# Altium PCB TIDA-010933-RevA.PcbDoc (part 3 of 9) (continued)
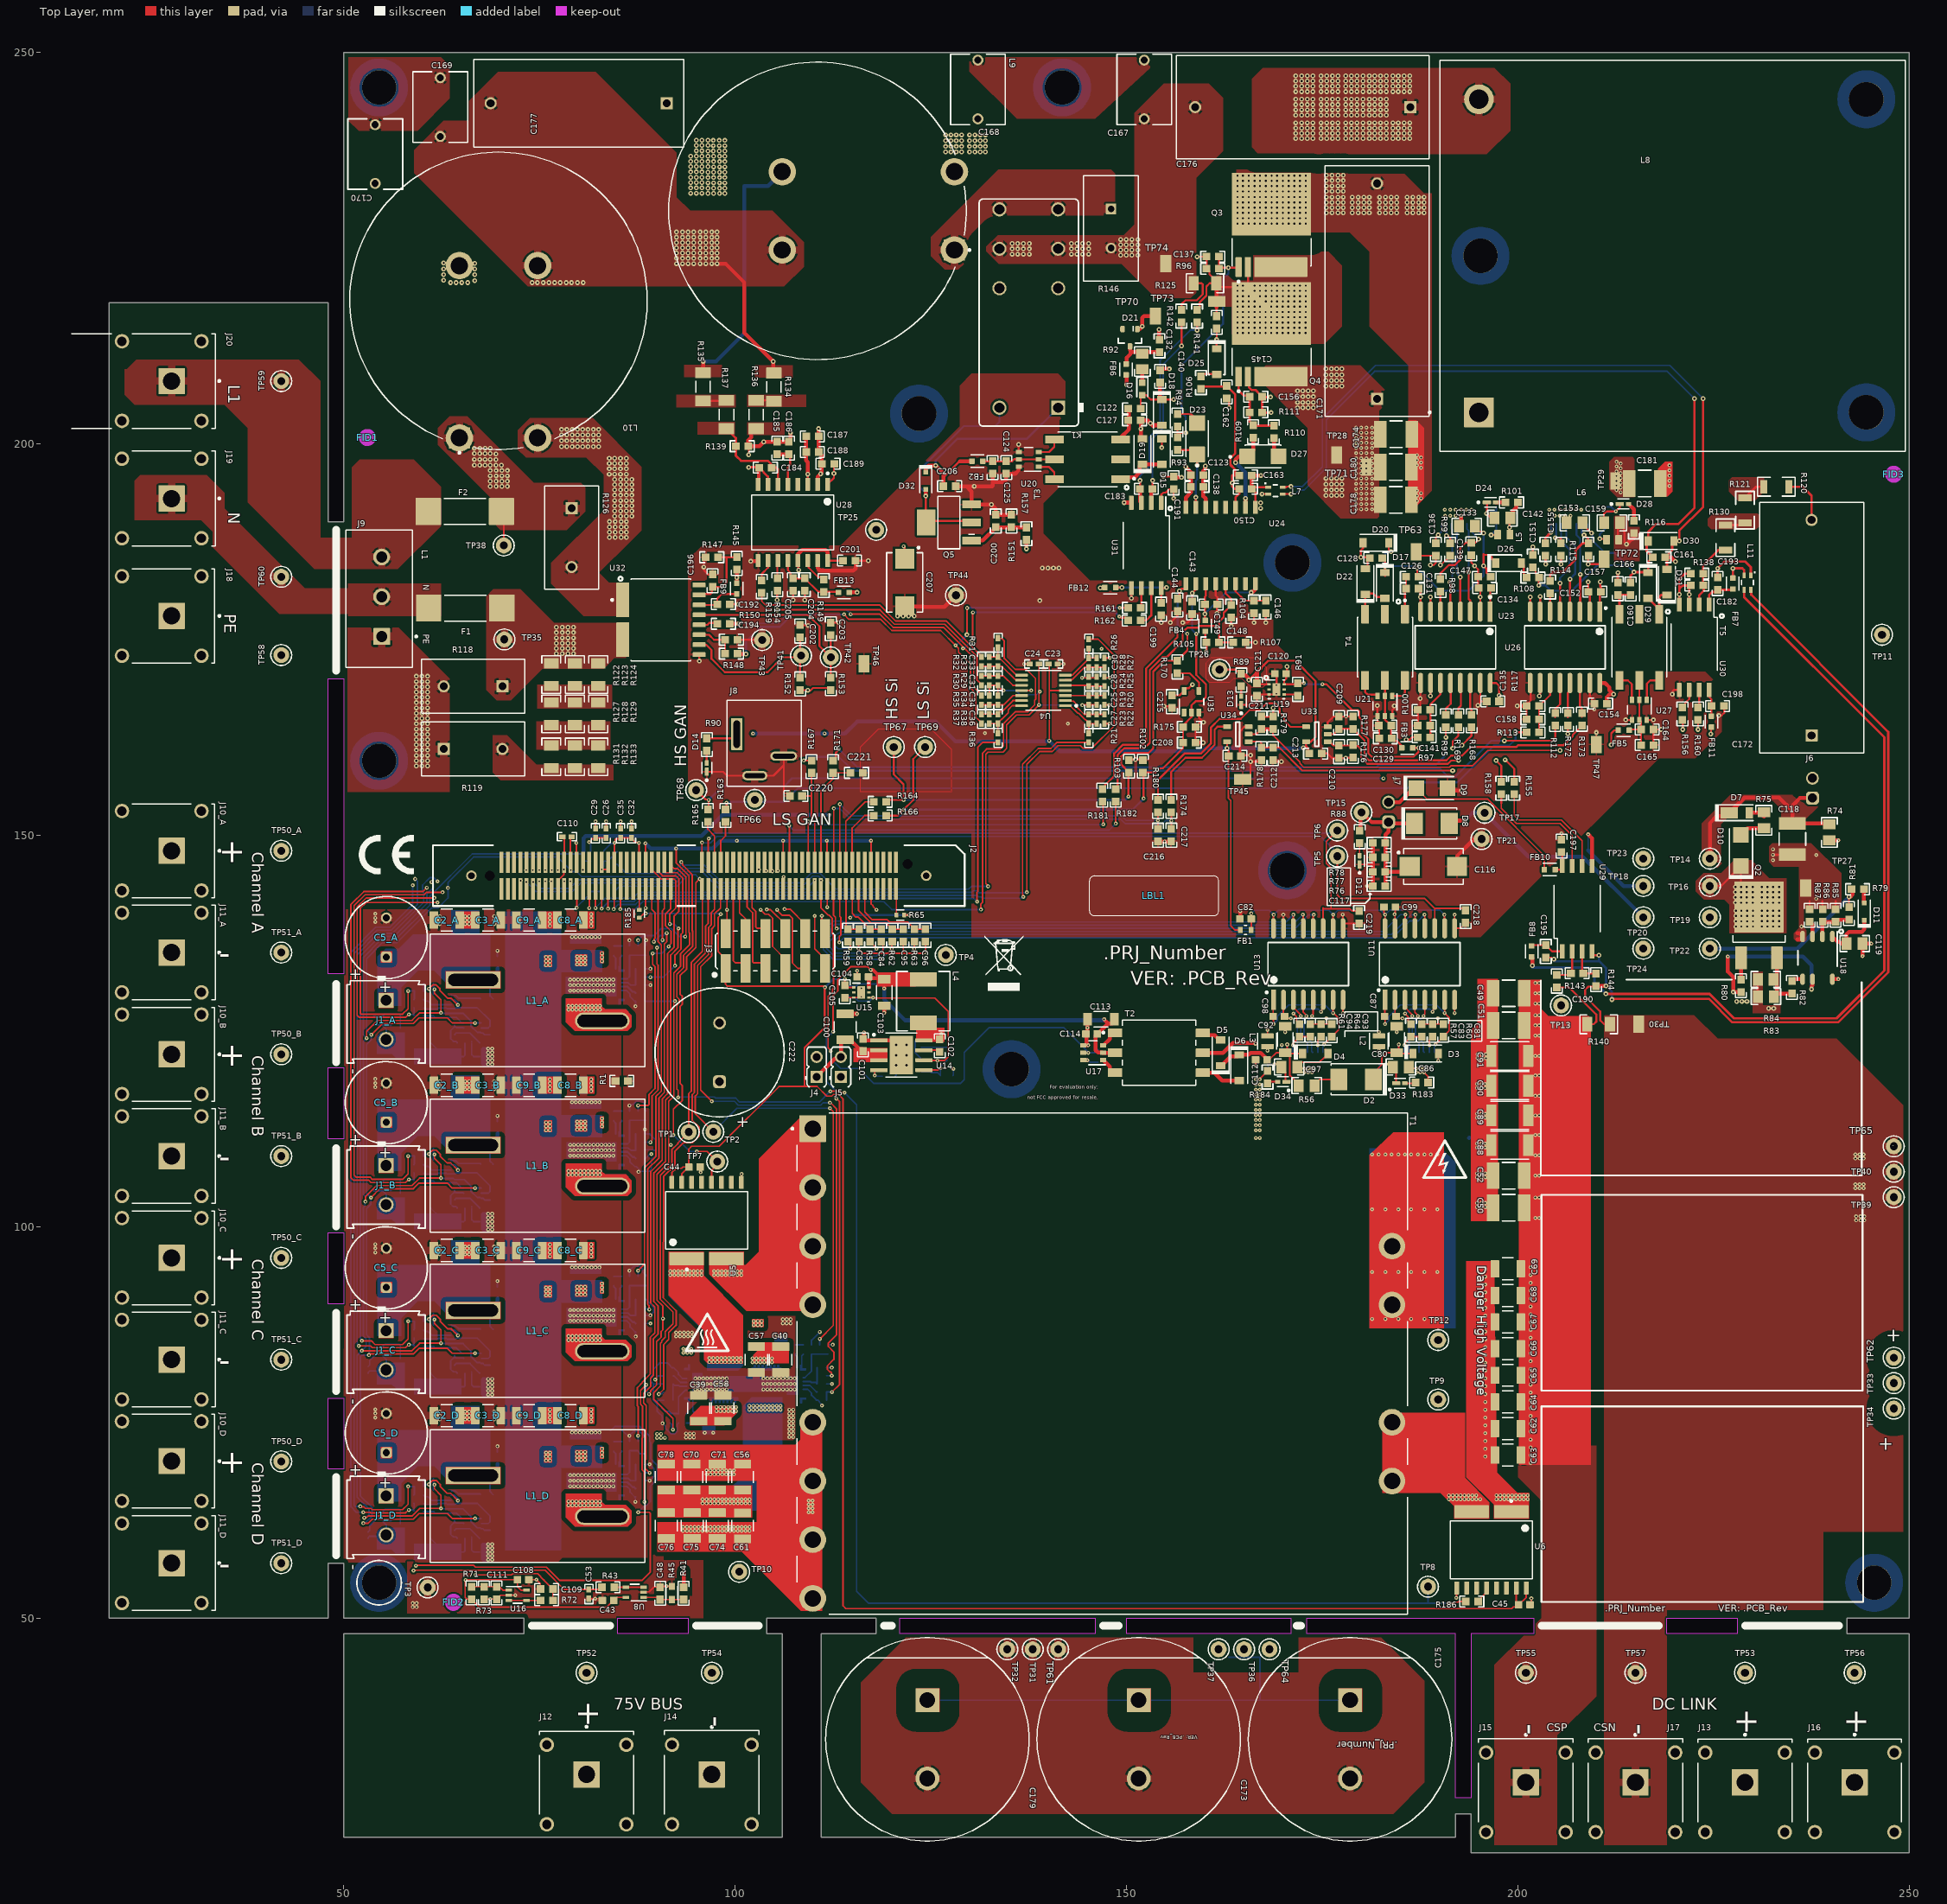
[diagram p0: Top Layer view]
## Part data (continued)
L4: library part CMP-0057696-2, "Inductor, Shielded, Ferrite, 15 uH, 2.9 A, 0.121 ohm, SMD", Manufacturer=Bourns, Supplier Part Number 1=652-SRP6540-150M, Value1="0.121 ohm", Value2=2.9A, ValueDisplayed=15uH, AEC Category=Q200, AEC Qualified=?, ComponentLink1Description="Datasheet link", ComponentLink1URL=http://www.bourns.com/data/global/pdfs/SRP6540.pdf, CompType=Inductor, DCR_ohm=0.121, Green_EU RoHS=Passed, Green_EU RoHS-2=Incomplete, Green_Lifecycle=Active, Green_REACh=Passed, Imax_A=2.9A, Ind_H=15µH, Irms="2.9A @ 40C rise", Isat="2.9A @ 20% inductance drop", LatestRevisionDate=2017-06-02, Material=Ferrite, MountType=SMT, PackageReference="Inductor, 7.2x4x6.5mm", PartNumber=SRP6540-150M, Published=2008-06-26, Publisher="Texas Instruments", RoHS=Y, SizeArea_mm2=50.25, SizeAreaWB_mm2=82.65, SizeX_mm=7.5, SizeY_mm=6.7, SizeZ_mm=4, Supplier 1=Mouser, Technology=Shielded
L5 L6: library part CMP-0063789-1, "Inductor, 10 uH, 0.5 A, 0.85 ohm, SMD", Manufacturer="Wurth Elektronik", Value1="0.85 ohm", Value2=0.5A, ValueDisplayed=10uH, AEC Category=Q200, AEC Grade=N/A, AEC Qualified=N, ComponentLink1Description="Datasheet link", ComponentLink1URL=http://katalog.we-online.com/pbs/datasheet/74404020100.pdf, CompType=Inductor, DCR_ohm=8.5d, Imax_A=5dA, Ind_H=10µH, Irms="0.5A @ 40C rise", Isat="0.6A @ 30% inductance drop", LatestRevisionDate=2017-06-02, Material=?, MountType=SMT, PackageReference=2x1.6mm, PartNumber=74404020100, Published=2008-06-26, Publisher="Texas Instruments", RoHS=Y, SizeArea_mm2=3.2, SizeAreaWB_mm2=7.8, SizeX_mm=2, SizeY_mm=1.6, SizeZ_mm=1, Technology=?
L7 L11: library part CMP-0058159-1, "Inductor, Wirewound, Ferrite, 0.3 A, 0.45 ohm, SMD", Manufacturer=Bourns, Supplier Part Number 1=SRF2012-361YACT-ND, Value1="0.45 ohm", Value2=0.3A, AEC Category=Q200, AEC Qualified=?, ComponentLink1Description="Datasheet link", ComponentLink1URL=http://www.bourns.com/data/global/pdfs/SRF2012A.pdf, CompType=Inductor, DCR_ohm=4.5d, Green_EU RoHS=Passed, Green_EU RoHS-2=Incomplete, Green_Lifecycle=NRND, Green_REACh=Passed, Imax_A=3dA, LatestRevisionDate=2017-06-02, Material=Ferrite, MountType=SMT, PackageReference=2.0x1.2x1.2mm, PartNumber=SRF2012-361YA, Published=2008-06-26, Publisher="Texas Instruments", RoHS=Y, SizeArea_mm2=2.4, SizeAreaWB_mm2=6.6, SizeX_mm=2, SizeY_mm=1.2, SizeZ_mm=1.4, Supplier 1=Digi-Key, Supplier 2=Newark, Supplier 3=Mouser, Supplier Part Number 2=54W0024, Supplier Part Number 3=652-SRF2012-361YA, Technology=Wirewound
L8: library part CMP-0042321-1, "PFC Inductor", Manufacturer=Bourns, Operating Temperature Range="-40°C to +125°C", Test Frequency=120kHz, Tolerance_%=10%, AEC Qualified=No, Datasheet Path=datasheets/Ind-D6746.pdf, helpURL=https://upverter.com/upn/revision/b4f5dbfb28e8d931/, Ind_H=111µH, Irms=22.6A, Lead Free=Yes, PackageReference=PTH_59MM5_50MM0, Part Number=D6746, PartNumber=D6746, RoHS=TRUE, SizeZ_mm=25mm, Technology=Wirewound
L9 L10: library part CMP-0042320-3, "Common Mode Chokes 4mH 50mohm 250kHz", Manufacturer=Bourns, Operating Temperature Range="-40°C to +125°C", Test Frequency=250kHz, AEC Qualified=No, Datasheet Path=datasheets/Ind-D6744.pdf, DCR_ohm=50m, helpURL=https://upverter.com/upn/revision/f5ce77b0b37f7489/, Ind_H=4mH, Lead Free=Yes, PackageReference=PTH_CMC_38MM0, Part Number=D6744, PartNumber=D6744, RoHS=TRUE, SizeZ_mm=24mm, Technology=Wirewound
LBL1: library part CMP-0003625-1, "Thermal Transfer Printable Labels, 0.650\" W x 0.200\" H - 10,000 per roll", Manufacturer=Brady, Supplier Part Number 1=97C5133, ClassName=Label, ComponentLink1Description="Web Page", ComponentLink1URL=http://www.bradyid.com/bradyid/pdpv/THT-14-423-10.html, CompType=Label, Key=THT-14-423-10, LatestRevisionDate=2017-03-09, MountType=N/A, Note="Size: 0.65\" x 0.20 \"", PackageReference="PCB Label 0.650 x 0.200 inch", PartNumber=THT-14-423-10, Publisher="Texas Instruments", RoHS=Y, Supplier 1=Newark, Supplier 2=Farnell, Supplier Part Number 2=2065596
Logo1: library part CMP-0074847-1, "FCC_disclaimer", LatestRevisionDate=2017-07-06, Lib Reference=FCC_disclaimer, PartNumber="FCC disclaimer", Published=2009-03-03, Publisher="Texas Instruments"
Logo2: library part CMP-0074769-1, Lib Reference="WEEE logo", PartNumber="WEEE logo"
LOGO3: library part CMP-0074837-1, "IEC 61010-1 Hot Surface Warning", LatestRevisionDate=2017-07-06, Lib Reference=IEC_HotSurface, PartNumber="CAUTION HOT SURFACE", Published=2009-03-03, Publisher="Texas Instruments", SymbolCreator=a0412235, SymbolVersion=2011-08-22
LOGO4: library part CMP-0074835-1, "IEC 61010-1 High Voltage Warning", LatestRevisionDate=2017-07-06, Lib Reference=IEC_HighVoltage, PartNumber="DANGER HIGH VOLTAGE", Published=2009-03-03, Publisher="Texas Instruments", SymbolCreator=a0412235, SymbolVersion=2011-08-22
Logo5: library part CMP-0074844-1, LatestRevisionDate=2017-07-06, Lib Reference="CE Mark", PartNumber="CE Mark", Published=2009-03-03, Publisher="Texas Instruments", SymbolCreator=a0412235
MP2 MP3 MP4 MP5 MP6 MP7 MP8 MP9 MP10 MP11 MP12 MP13: library part CMP-0040203-1, "Round Spacer Unthreaded Steel 0.059\" (1.50mm)", Digikey Part Number=732-7071-1-ND, Manufacturer="Wurth Electronics", Mouser Part Number=710-9774015960R, Operating Temperature Range="-55°C to +150°C", AEC Qualified=No, ComponentLink1Description=Datasheet, ComponentLink1URL=https://www.we-online.com/components/products/datasheet/9774015960R.pdf, datasheet=https://www.we-online.com/components/products/datasheet/9774015960R.pdf, Datasheet Path=datasheets/UNK-9774015960R.pdf, Digikey Description="ROUND SPACER STEEL 1.5MM", helpURL=https://upverter.com/upn/revision/67a23d837871b5d5/, Is Female=yes, Lead Free=Yes, Mouser Description="Spacer Material: Steel Mounting: SMT Series: WA-SMST For ø: 3.3 mm", PackageReference=ROUND_SPACER_6MM0, Part Number=9774015960R, PartNumber=9774015960R, RoHS=TRUE, SizeZ_mm=1.6mm, Supplier 1=Digikey, Supplier 2=Mouser, Supplier Part Number 1=732-7071-1-ND, Supplier Part Number 2=710-9774015960R
Q1_A Q1_B Q1_C Q1_D: library part CMP-0000823-2, "MOSFET, N-CH, 60 V, 100 A, DNK0008A (VSON-CLIP-8)", Alternate Manufacturer=None, Manufacturer="Texas Instruments", Supplier Part Number 1=296-41076-1-ND, Value1=0.003, Value2="41 nC", AEC Category=Q101, AEC Qualified=N, ChType=N, ComponentLink1Description="Datasheet link", ComponentLink1URL=http://www.ti.com/lit/ds/symlink/csd18540q5b.pdf, CompType=MOSFET, IdsMax_A=100A, MountType=SMT, PackageReference=DNK0008A, PartNumber=CSD18540Q5B, QgTyp_nC=41, Rdson45_ohm=3.3m, RoHS=Y, SizeArea_mm2=30, SizeAreaWB_mm2=56, SizeX_mm=6, SizeY_mm=5, SizeZ_mm=1, Supplier 1=Digi-Key, Supplier 2=Mouser, Supplier Part Number 2=595-CSD18540Q5B, U/M=EA, VdsMax_V=60V, Vgs_V=20V
Q2: library part CMP-0036768-1, "MOSFET N-Channel 600 V 2A (Tc) 45W (Tc) Surface Mount DPAK", Digikey Part Number=497-6192-1-ND, Drain To Source Breakdown Voltage=600V, Input Capacitace At Vds="280pF @ 25V", Manufacturer=STMicroelectronics, Mouser Part Number=511-STD2HNK60Z, Operating Temperature Range="-55°C to +150°C", Power_W=45W, Pulse Drain Current=8A, AEC Qualified=No, ChMode=False, ComponentLink1Description=Datasheet, ComponentLink1URL=https://www.st.com/resource/en/datasheet/std2hnk60z.pdf, datasheet=https://www.st.com/resource/en/datasheet/std2hnk60z.pdf, Datasheet Path=datasheets/Trans-STD2HNK60Z.pdf, Digikey Description="MOSFET N-CH 600V 2A DPAK", helpURL=https://upverter.com/upn/revision/b69afbc3f4c1a412/, IdsMax_A=2A, Lead Free=Yes, Mouser Description="N-channel 600 V - 4.4 O - 2 A - TO-92/TO-220FP/DPAK/IPAK Zener-protected SuperMESH™2; Power MOSFET", Number Of Channels=1, Number Of N Channels=1, PackageReference=DPAK, Part Number=STD2HNK60Z, PartNumber=STD2HNK60Z, QgTyp_nC="11nC @ 10V", Rdson45_ohm=3.5, Reverse Recovery Charge=445nC, Reverse Recovery Time=178ns, RoHS=TRUE, Rthja Max=100°C/W, SizeZ_mm=2.48mm, Standoff Height=0mm, Threshold Vgs Max=4.5V, Threshold Vgs Min=3V, TJmax_C=+150°C, Turn Off Delay Time=23ns, Turn On Delay Time=10ns, VdsMax_V=1.6V, Vgs_V=30V
Q3 Q4: library part CMP-0096632-1, "N-Channel 600 V 23A (Tc) 390W (Tc) Surface Mount PG-HSOF-8-2", Digikey Part Number=448-IPT60R022S7XTMA1CT-ND, Drain To Source Breakdown Voltage=600V, Input Capacitace At Vds="5639pF @ 300V", Manufacturer=Infineon, Mouser Part Number=726-IPT60R022S7XTMA1, Operating Temperature Range="-55°C to +150°C", Power_W=390W, Pulse Drain Current=375A, Typ Forward Diode Voltage=0.82V, AEC Qualified=No, ChMode=False, ComponentLink1Description=Datasheet, ComponentLink1URL=https://www.infineon.com/dgdl/Infineon-IPT60R022S7-DataSheet-v02_00-EN.pdf?fileId=5546d4626bb628d7016bc266c2ec77b5, datasheet=https://www.infineon.com/dgdl/Infineon-IPT60R022S7-DataSheet-v02_00-EN.pdf?fileId=5546d4626bb628d7016bc266c2ec77b5, Datasheet Path=datasheets/Trans-IPT60R022S7XTMA1.pdf, Digikey Description="MOSFET N-CH 600V 23A 8HSOF", helpURL=https://upverter.com/upn/revision/39de4432f1c3ff97/, IdsMax_A=23A, Lead Free=Yes, Number Of Channels=1, Number Of N Channels=1, PackageReference=HSOF8, Part Number=IPT60R022S7XTMA1, PartNumber=IPT60R022S7XTMA1, QgTyp_nC="150nC @ 12V", Rdson45_ohm=20m, Reverse Recovery Charge=9000nC, Reverse Recovery Time=460ns, RoHS=TRUE, Rthja Max=62°C/W, SizeZ_mm=2.4mm, Threshold Vgs Max=4.5V, Threshold Vgs Min=3.5V, TJmax_C=+150°C, Turn Off Delay Time=150ns, Turn On Delay Time=30ns, VdsMax_V=600V, Vgs_V=20V
Q5: library part CMP-0000888-1, "MOSFET, N-CH, 70 V, 3.8 A, AEC-Q101, SOT-223", Alternate Manufacturer=None, Manufacturer="Diodes Inc.", Supplier Part Number 1=ZXMN7A11GCT-ND, Value1=0.1, Value2="7.4 nC", AEC Category=Q101, AEC Qualified=Y, ChType=N, ComponentLink1Description="Datasheet link", ComponentLink1URL=http://www.diodes.com/datasheets/ZXMN7A11G.pdf, CompType=MOSFET, IdsMax_A=3.8A, LatestRevisionDate=2017-03-09, LatestRevisionNote="Added parts.", MountType=SMT, PackageReference=SOT-223, PartNumber=ZXMN7A11GTA, Published=2008-06-19, Publisher="Texas Instruments", QgTyp_nC=7.4, Rdson45_ohm=0.19, RoHS=Y, SizeArea_mm2=45.5, SizeAreaWB_mm2=76.5, SizeX_mm=6.5, SizeY_mm=7, SizeZ_mm=1.6, Supplier 1=Digi-Key, Supplier 2=Mouser, Supplier Part Number 2=522-ZXMN7A11GTA, U/M=EA, VdsMax_V=70V, Vgs_V=20V
R1 R186: library part CMP-0025885-5, "RES, 0, 5%, 0.1 W, 0603", Manufacturer=Yageo, Power_W=100mW, Supplier Part Number 1=311-0.0GRCT-ND, TempCo="200 ppm/C", Tolerance_%=5%, Value2=0.1W, Value_Code=0000, ValueDisplayed=0, AEC Category=Q200, AEC Grade=N/A, AEC Qualified=N, ComponentLink1Description="Datasheet link", ComponentLink1URL=http://www.yageo.com/pdf/Pu-RC0603_51_PbFree_L_2.pdf, CompType=Resistor, EIA_Code=E24, MountType=SMT, PackageReference=0603, PartNumber=RC0603JR-070RL, Res_ohm=0, RoHS=Y, SizeArea_mm2=1.28, SizeAreaWB_mm2=4.68, SizeX_mm=1.6, SizeY_mm=0.8, SizeZ_mm=1, Supplier 1=Digi-Key, Supplier 2=Mouser, Supplier 3=Farnell, Supplier Part Number 2=603-RC0603JR-070RL, Supplier Part Number 3=9233130, Technology="Thick Film", Value1=5%, VDC_V=75V
R2 R19 R20 R22 R23 R25 R27 R30 R32 R34 R35 R37 R38: library part CMP-0065360-1, "RES, 10.0 k, .1%, .0625 W, 0402", Manufacturer="Yageo America", Power_W=62.5mW, Supplier Part Number 1=YAG1346CT-ND, TempCo="25 ppm/C", Tolerance_%=0.1%, Value1=.1%, Value2=.0625W, Value_Code=10k0, ValueDisplayed=10.0k, AEC Category=Q200, AEC Qualified=?, ComponentLink1Description="Datasheet link", ComponentLink1URL=http://www.yageo.com/NewPortal/yageodocoutput?fileName=/pdf/R-Chip/PYu-RT_1-to-0.01_RoHS_L_8.pdf, CompType=Resistor, EIA_Code=E192, LatestRevisionDate=2017-06-05, MountType=SMT, PackageReference=0402, PartNumber=RT0402BRD0710KL, Published=2008-06-26, Publisher="Texas Instruments", Res_ohm=10k, RoHS=Y, SizeArea_mm2=0.5, SizeX_mm=1.0, SizeY_mm=0.5, SizeZ_mm=0.6, Supplier 1=Digi-Key, Supplier 2=Newark, Supplier 3=Mouser, Supplier Part Number 2=66R6774, Supplier Part Number 3=603-RT0402BRD0710KL, Technology="Thin Film", U/M=EA, VDC_V=50V
R3: library part CMP-0091865-1, "±1% tolerance 10kΩ linear thermistor available in 0402 and 0603 package options 2-SOT-5X3 -40 to 125", Digikey Part Number=296-TMP6131DYATCT-ND, Manufacturer="Texas Instruments", Max Current=400uA, Mouser Part Number=595-TMP6131DYAT, Operating Temperature Range="-40°C to +125°C", TempCo=6400ppm/°C, Tolerance_%=1%, AEC Qualified=No, ComponentLink1Description=Datasheet, ComponentLink1URL=https://www.ti.com/lit/gpn/TMP61, datasheet=https://www.ti.com/lit/gpn/TMP61, Datasheet Path=datasheets/Res-TMP6131DYAT.pdf, Digikey Description=THERMISTOR, helpURL=https://upverter.com/upn/revision/150d27163111d799/, Lead Free=Yes, Mouser Description="±1% tolerance 10kO linear thermistor available in 0402 and 0603 package options 2-SOT-5X3 -40 to 125", PackageReference=SOD-523, Part Number=TMP6131DYAT, PartNumber=TMP6131DYAT, Res_ohm=10kΩ, RoHS=TRUE, Series=TMP61, SizeZ_mm=0.77mm, TaMax_C=+125°C, TaMin_C=-40°C, TJmax_C=+155°C, VDC_V=5.5V
R4_A R4_B R4_C R4_D: library part CMP-0078821-1, "RES, 0.001, 1%, 1 W, AEC-Q200 Grade 0, 1206", Manufacturer=Bourns, Power_W=1W, TempCo="50 ppm/C", Tolerance_%=1%, Value_Code=1L000, ValueDisplayed=0.001, AEC Category=Q200, AEC Grade=0, AEC Qualified=Y, ComponentLink1Description="Datasheet link", ComponentLink1URL=http://www.bourns.com/docs/Product-Datasheets/crf.pdf, CompType=Resistor, EIA_Code=E96, MountType=SMT, PackageReference=1206, PartNumber=CRF1206-FZ-R001ELF, Res_ohm=1m, RoHS=Y, SizeArea_mm2=5.12, SizeX_mm=3.2, SizeY_mm=1.6, SizeZ_mm=1.35, Technology="Metal Film", Value1=1%, Value2=1W
R5_A R5_B R5_C R5_D R69 R91: library part CMP-0022735-5, "RES, 100 k, 1%, 0.1 W, 0603", Manufacturer=Yageo, Power_W=100mW, Supplier Part Number 1=311-100KHRCT-ND, TempCo="100 ppm/C", Tolerance_%=1%, Value2=0.1W, Value_Code=100k, AEC Category=Q200, AEC Grade=N/A, AEC Qualified=N, ComponentLink1Description="Datasheet link", ComponentLink1URL=http://www.yageo.com/pdf/Pu-RC0603_51_PbFree_L_2.pdf, CompType=Resistor, EIA_Code=E96, MountType=SMT, PackageReference=0603, PartNumber=RC0603FR-07100KL, Res_ohm=100k, RoHS=Y, SizeArea_mm2=1.28, SizeAreaWB_mm2=4.68, SizeX_mm=1.6, SizeY_mm=0.8, SizeZ_mm=1, Supplier 1=Digi-Key, Supplier 2=Mouser, Supplier 3=Farnell, Supplier Part Number 2=603-RC0603FR-07100KL, Supplier Part Number 3=9238727, Technology="Thick Film", Value1=1%, ValueDisplayed=100k, VDC_V=75V
R6_A R6_B R6_C R6_D R41: library part CMP-0024182-3, "RES, 39.2 k, 0.1%, 0.1 W, 0603", Manufacturer="Yageo America", Power_W=100mW, TempCo="25 ppm/C", Tolerance_%=0.1%, Value2=0.1W, Value_Code=39k2, ValueDisplayed=39.2k, AEC Category=Q200, AEC Qualified=?, ComponentLink1Description="Datasheet link", ComponentLink1URL=http://www.yageo.com/pdf/PYu-RT_1-to-0.05_RoHS_L_3.pdf, CompType=Resistor, EIA_Code=E192, LatestRevisionDate=2017-03-09, MountType=SMT, PackageReference=0603, PartNumber=RT0603BRD0739K2L, Published=2008-06-26, Publisher="Texas Instruments", Res_ohm=39.2k, RoHS=Y, SizeArea_mm2=1.28, SizeX_mm=1.6, SizeY_mm=0.8, SizeZ_mm=1, Technology="Thin Film", U/M=EA, Value1=0.1%, VDC_V=75V
R7_A R7_B R7_C R7_D R10_A R10_B R10_C R10_D R42 R44 R50 R51: library part CMP-0026900-3, "RES, 2.7, 5%, 0.063 W, AEC-Q200 Grade 0, 0402", Manufacturer=Vishay-Dale, Power_W=63mW, Supplier Part Number 1=541-2.7JCT-ND, TempCo="200 ppm/C", Tolerance_%=5%, Value2=0.063W, Value_Code=2R70, ValueDisplayed=2.7, AEC Category=Q200, AEC Grade=0, AEC Qualified=Y, ComponentLink1Description="Datasheet link", ComponentLink1URL=http://www.vishay.com/docs/20035/dcrcwe3.pdf, CompType=Resistor, EIA_Code=E24, MountType=SMT, PackageReference=0402, PartNumber=CRCW04022R70JNED, Res_ohm=2.7, RoHS=E, SizeArea_mm2=0.5, SizeX_mm=1, SizeY_mm=0.5, SizeZ_mm=0.6, Supplier 1=Digi-Key, Supplier 2=Mouser, Supplier 3=Farnell, Supplier Part Number 2=71-CRCW04022R70JNED, Supplier Part Number 3=1739059, Technology="Thick Film", Value1=5%, VDC_V=50V
R8_A R8_B R8_C R8_D: library part CMP-0026721-1, "RES, 100 k, 1%, 0.0625 W, 0402", Manufacturer="Yageo America", Power_W=62.5mW, Supplier Part Number 1=311-100KLRCT-ND, TempCo="100 ppm/C", Tolerance_%=1%, Value2=0.0625W, Value_Code=100k, AEC Category=Q200, AEC Grade=N/A, AEC Qualified=N, ComponentLink1Description="Datasheet link", ComponentLink1URL=http://www.yageo.com/documents/recent/PYu-RC0402_51_RoHS_L_6_r.pdf, CompType=Resistor, EIA_Code=E96, LatestRevisionDate=2017-03-09, MountType=SMT, PackageReference=0402, PartNumber=RC0402FR-07100KL, Published=2008-06-26, Publisher="Texas Instruments", Res_ohm=100k, RoHS=Y, SizeArea_mm2=0.5, SizeX_mm=1, SizeY_mm=0.5, SizeZ_mm=0.6, Supplier 1=Digi-Key, Supplier 2=Newark, Supplier 3=Mouser, Supplier Part Number 2=67R9887, Supplier Part Number 3=603-RC0402FR-07100KL, Technology="Thick Film", U/M=EA, Value1=1%, ValueDisplayed=100k, VDC_V=50V
R9_A R9_B R9_C R9_D R12_A R12_B R12_C R12_D R14_A R14_B R14_C R14_D R16_A R16_B R16_C R16_D R21 R26 R31 R36 R46 R48 R52 R54: library part CMP-0026738-1, "RES, 49.9, 1%, 0.063 W, 0402", Manufacturer="Yageo America", Power_W=63mW, Supplier Part Number 1=311-49.9LRCT-ND, TempCo="100 ppm/C", Tolerance_%=1%, Value2=0.063W, Value_Code=49R9, ValueDisplayed=49.9, AEC Category=Q200, AEC Grade=N/A, AEC Qualified=N, ComponentLink1Description="Datasheet link", ComponentLink1URL=http://www.yageo.com/documents/recent/PYu-RC_Group_51_RoHS_L_1.pdf, CompType=Resistor, EIA_Code=E96, LatestRevisionDate=2017-03-09, MountType=SMT, PackageReference=0402, PartNumber=RC0402FR-0749R9L, Published=2008-06-26, Publisher="Texas Instruments", Res_ohm=49.9, RoHS=Y, SizeArea_mm2=0.5, SizeX_mm=1, SizeY_mm=0.5, SizeZ_mm=0.6, Supplier 1=Digi-Key, Supplier 2=Newark, Supplier 3=Mouser, Supplier Part Number 2=67R9942, Supplier Part Number 3=603-RC0402FR-0749R9L, Technology="Thick Film", U/M=EA, Value1=1%, VDC_V=50V
R11_A R11_B R11_C R11_D: library part CMP-0026770-1, "RES, 1.00 k, 0.1%, 0.063 W, 0402", Manufacturer=Panasonic, Power_W=63mW, Supplier Part Number 1=P1.0KDCCT-ND, TempCo="25 ppm/C", Tolerance_%=0.1%, Value2=0.063W, Value_Code=1k00, ValueDisplayed=1.00k, AEC Category=Q200, AEC Qualified=?, ComponentLink1Description="Datasheet link", ComponentLink1URL=http://industrial.panasonic.com/www-data/pdf/AOA0000/AOA0000CE26.pdf, CompType=Resistor, EIA_Code=E192, LatestRevisionDate=2017-03-09, MountType=SMT, PackageReference=0402, PartNumber=ERA-2AEB102X, Published=2008-06-26, Publisher="Texas Instruments", Res_ohm=1k, RoHS=Y, SizeArea_mm2=0.5, SizeX_mm=1, SizeY_mm=0.5, SizeZ_mm=0.6, Supplier 1=Digi-Key, Supplier 2=Newark, Supplier 3=Mouser, Supplier Part Number 2=53W8332, Supplier Part Number 3=667-ERA-2AEB102X, Technology="Thin Film", U/M=EA, Value1=0.1%, VDC_V=50V
R13_A R13_B R13_C R13_D R15_A R15_B R15_C R15_D R47 R49 R53 R55 R67: library part CMP-0078669-1, "RES, 10.0 k, 1%, 0.063 W, 0402", Manufacturer="Yageo America", Power_W=63mW, Supplier Part Number 1=311-10.0KLRCT-ND, TempCo="100 ppm/C", Tolerance_%=1%, Value2=0.063W, Value_Code=10k0, ValueDisplayed=10.0k, AEC Category=Q200, AEC Grade=N/A, AEC Qualified=N, ComponentLink1Description="Datasheet link", ComponentLink1URL=http://www.yageo.com/documents/recent/PYu-RC_Group_51_RoHS_L_8.pdf, CompType=Resistor, EIA_Code=E96, Green_EU RoHS="Passed with Exemption", Green_EU RoHS-2=Passed, Green_Lifecycle=Active, Green_REACh=Passed, MountType=SMT, PackageReference=0402, PartNumber=RC0402FR-0710KL, Res_ohm=10k, RoHS=Y, SizeArea_mm2=0.5, SizeX_mm=1, SizeY_mm=0.5, SizeZ_mm=0.6, Supplier 1=Digi-Key, Supplier 2=Newark, Supplier 3=Mouser, Supplier Part Number 2=98K7499, Supplier Part Number 3=603-RC0402FR-0710KL, Technology="Thick Film", Value1=1%
R17_A R17_B R17_C R17_D R18_A R18_B R18_C R18_D: library part CMP-0092617-1, "200 Ohms ±5% 0.063W, 1/16W Chip Resistor 0402 (1005 Metric) Moisture Resistant Thick Film", Digikey Part Number=311-200JRCT-ND, Manufacturer=YAGEO, Mouser Part Number=603-RC0402JR-07200RL, Operating Temperature Range="-55°C to +155°C", Power_W=63mW, TempCo=100ppm/°C, Tolerance_%=5%, AEC Qualified=No, ComponentLink1Description=Datasheet, ComponentLink1URL=http://www.yageo.com/documents/recent/PYu-RC_Group_51_RoHS_L_8.pdf, datasheet=http://www.yageo.com/documents/recent/PYu-RC_Group_51_RoHS_L_8.pdf, Datasheet Path=datasheets/Res-RC0402JR-07200RL.pdf, Digikey Description="RES SMD 200 OHM 5% 1/16W 0402", helpURL=https://upverter.com/upn/revision/a0a435665daee534/, Lead Free=Yes, Mouser Description="Thick Film Resistors - SMD 200 OHM 5%", PackageReference=0402, Part Number=RC0402JR-07200RL, PartNumber=RC0402JR-07200RL, Res_ohm=200, RoHS=FALSE, Series=RC_L, SizeZ_mm=0.4mm, Supplier 1=Digikey, Supplier 2=Mouser, Supplier Part Number 1=311-200JRCT-ND, Supplier Part Number 2=603-RC0402JR-07200RL, Technology="Thick Film", VDC_V=50V
R24 R28: library part CMP-0065359-1, "RES, 15.0 k, .1%, .063 W, AEC-Q200 Grade 0, 0402", Manufacturer=Panasonic, Power_W=63mW, Supplier Part Number 1=P15KDCCT-ND, TempCo="25 ppm/C", Tolerance_%=0.1%, Value1=.1%, Value2=.063W, Value_Code=15k0, ValueDisplayed=15.0k, AEC Category=Q200, AEC Grade=0, AEC Qualified=Y, ComponentLink1Description="Datasheet link", ComponentLink1URL=https://industrial.panasonic.com/cdbs/www-data/pdf/RDM0000/AOA0000C237.pdf, CompType=Resistor, EIA_Code=E192, LatestRevisionDate=2017-06-05, MountType=SMT, PackageReference=0402, PartNumber=ERA-2AEB153X, Published=2008-06-26, Publisher="Texas Instruments", Res_ohm=15k, RoHS=Y, SizeArea_mm2=0.5, SizeX_mm=1.0, SizeY_mm=0.5, SizeZ_mm=0.6, Supplier 1=Digi-Key, Supplier 2=Newark, Supplier 3=Mouser, Supplier Part Number 2=53W8333, Supplier Part Number 3=667-ERA-2AEB153X, Technology="Thin Film", U/M=EA, VDC_V=50V
R29 R33: library part CMP-0026786-1, "RES, 7.50 k, 0.1%, 0.063 W, AEC-Q200 Grade 0, 0402", Manufacturer=Panasonic, Power_W=63mW, Supplier Part Number 1=P7.5KDCCT-ND, TempCo="25 ppm/C", Tolerance_%=0.1%, Value2=0.063W, Value_Code=7k50, ValueDisplayed=7.50k, AEC Category=Q200, AEC Grade=0, AEC Qualified=Y, ComponentLink1Description="Datasheet link", ComponentLink1URL=http://industrial.panasonic.com/lecs/www-data/pdf/AOA0000/AOA0000CE26.pdf, CompType=Resistor, EIA_Code=E192, LatestRevisionDate=2017-03-09, MountType=SMT, PackageReference=0402, PartNumber=ERA-2AEB752X, Published=2008-06-26, Publisher="Texas Instruments", Res_ohm=7.5k, RoHS=Y, SizeArea_mm2=0.5, SizeX_mm=1, SizeY_mm=0.5, SizeZ_mm=0.6, Supplier 1=Digi-Key, Supplier 2=Newark, Supplier 3=Mouser, Supplier Part Number 2=49W8962, Supplier Part Number 3=667-ERA-2AEB752X, Technology="Thin Film", U/M=EA, Value1=0.1%, VDC_V=50V
R39 R40 R43 R57 R58 R59 R61 R62 R63 R72 R95 R97 R98 R112 R113 R114 R148 R150 R151 R154 R155 R156 R158 R159 R160 R161 R162 R163 R164 R165 R166 R167 R168 R169 R170 R171 R172 R173 R174 R180 R181 R182: library part CMP-0023188-5, "RES, 56.0, 1%, 0.1 W, 0603", Manufacturer=Yageo, Power_W=100mW, Supplier Part Number 1=311-56.0HRCT-ND, TempCo="100 ppm/C", Tolerance_%=1%, Value2=0.1W, Value_Code=56R0, ValueDisplayed=56.0, AEC Category=Q200, AEC Grade=N/A, AEC Qualified=N, ComponentLink1Description="Datasheet link", ComponentLink1URL=http://www.yageo.com/pdf/Pu-RC0603_51_PbFree_L_2.pdf, CompType=Resistor, MountType=SMT, PackageReference=0603, PartNumber=RC0603FR-0756RL, Res_ohm=56, RoHS=Y, SizeArea_mm2=1.28, SizeAreaWB_mm2=4.68, SizeX_mm=1.6, SizeY_mm=0.8, SizeZ_mm=1, Supplier 1=Digi-Key, Supplier 2=Mouser, Supplier 3=Farnell, Supplier Part Number 2=603-RC0603FR-0756RL, Supplier Part Number 3=9238336, Technology="Thick Film", Value1=1%, VDC_V=75V
R45: library part CMP-0088560-2, "High Precision-High Stability Chip Resistor Thin Film 0603 1kOhm 0.1% Paper T/R", Digikey Part Number=YAG1237CT-ND, Manufacturer=Yageo, Mouser Part Number=603-RT0603BRD071KL, Operating Temperature Range="-55°C to +155°C", Power_W=100mW, TempCo=25ppm/°C, Tolerance_%=0.1%, AEC Qualified=No, ComponentLink1Description=Datasheet, ComponentLink1URL=https://www.yageo.com/upload/media/product/productsearch/datasheet/rchip/PYu-RT_1-to-0.01_RoHS_L_11.pdf, datasheet=https://www.yageo.com/upload/media/product/productsearch/datasheet/rchip/PYu-RT_1-to-0.01_RoHS_L_11.pdf, Datasheet Path=datasheets/Res-RT0603BRD071KL.pdf, Digikey Description="RES SMD 1K OHM 0.1% 1/10W 0603", helpURL=https://upverter.com/upn/revision/19579a1f39bf24ca/, Lead Free=Yes, PackageReference=0603, Part Number=RT0603BRD071KL, Res_ohm=1k, RoHS=TRUE, Series=RT, SizeZ_mm=0.55mm, Supplier 1=Digikey, Supplier 2=Mouser, Supplier Part Number 1=YAG1237CT-ND, Supplier Part Number 2=603-RT0603BRD071KL, Technology="Thin Film", VDC_V=75V
R56: library part CMP-0021141-3, "RES, 2.00, 1%, 0.125 W, AEC-Q200 Grade 0, 0805", Manufacturer=Vishay-Dale, Power_W=125mW, Supplier Part Number 1=541-2.00CCCT-ND, TempCo="100 ppm/C", Tolerance_%=1%, Value2=0.125W, Value_Code=2R00, ValueDisplayed=2.00, AEC Category=Q200, AEC Grade=0, AEC Qualified=Y, ComponentLink1Description="Datasheet link", ComponentLink1URL=http://www.vishay.com/docs/20035/dcrcwe3.pdf, CompType=Resistor, EIA_Code=E96, MountType=SMT, PackageReference=0805, PartNumber=CRCW08052R00FKEA, Res_ohm=2, RoHS=E, SizeArea_mm2=2.5, SizeX_mm=2, SizeY_mm=1.25, SizeZ_mm=1.45, Supplier 1=Digi-Key, Supplier 2=Mouser, Supplier 3=Farnell, Supplier Part Number 2=71-CRCW08052R00FKEA, Supplier Part Number 3=1862024, Technology="Thick Film", Value1=1%, VDC_V=150V
R60 R64: library part CMP-0022906-5, "RES, 20.0 k, 1%, 0.1 W, 0603", Manufacturer=Yageo, Power_W=100mW, Supplier Part Number 1=311-20.0KHRCT-ND, TempCo="100 ppm/C", Tolerance_%=1%, Value2=0.1W, Value_Code=20k0, ValueDisplayed=20.0k, AEC Category=Q200, AEC Grade=N/A, AEC Qualified=N, ComponentLink1Description="Datasheet link", ComponentLink1URL=http://www.yageo.com/pdf/Pu-RC0603_51_PbFree_L_2.pdf, CompType=Resistor, EIA_Code=E96, MountType=SMT, PackageReference=0603, PartNumber=RC0603FR-0720KL, Res_ohm=20k, RoHS=Y, SizeArea_mm2=1.28, SizeAreaWB_mm2=4.68, SizeX_mm=1.6, SizeY_mm=0.8, SizeZ_mm=1, Supplier 1=Digi-Key, Supplier 2=Mouser, Supplier 3=Farnell, Supplier Part Number 2=603-RC0603FR-0720KL, Supplier Part Number 3=1799331, Technology="Thick Film", Value1=1%, VDC_V=75V
R65 R185: library part CMP-0093147-1, "Res Jumper Thick Film 0402 0 Ohm 5% 1/16W Molded SMD Paper T/R", Digikey Part Number=YAG1279CT-ND, Manufacturer=Yageo, Mouser Part Number=603-RC0402JR-070RP, Operating Temperature Range="-55°C to +155°C", Power_W=63mW, AEC Qualified=No, ComponentLink1Description=Datasheet, ComponentLink1URL=https://www.yageo.com/upload/media/product/productsearch/datasheet/rchip/PYu-RC_51_RoHS_P_2.pdf, datasheet=https://www.yageo.com/upload/media/product/productsearch/datasheet/rchip/PYu-RC_51_RoHS_P_2.pdf, Datasheet Path=datasheets/Res-RC0402JR-070RP.pdf, Digikey Description="RES SMD 0 OHM JUMPER 1/16W 0402", helpURL=https://upverter.com/upn/revision/1e1ee5977c47aafb/, Lead Free=Yes, Mouser Description="RC Series 0402 Jumper Thick Film Chip Resistor", PackageReference=0402, Part Number=RC0402JR-070RP, PartNumber=RC0402JR-070RP, Res_ohm=0, RoHS=TRUE, Series=RC_P, SizeZ_mm=0.4mm, Supplier 1=Digikey, Supplier 2=Mouser, Supplier Part Number 1=YAG1279CT-ND, Supplier Part Number 2=603-RC0402JR-070RP, Technology="Thick Film", VDC_V=50V
R66: library part CMP-0023024-4, "RES, 316 k, 1%, 0.1 W, 0603", Manufacturer=Yageo, Power_W=100mW, Supplier Part Number 1=311-316KHRCT-ND, TempCo="100 ppm/C", Tolerance_%=1%, Value2=0.1W, Value_Code=316k, AEC Category=Q200, AEC Grade=N/A, AEC Qualified=N, ComponentLink1Description="Datasheet link", ComponentLink1URL=http://www.yageo.com/pdf/Pu-RC0603_51_PbFree_L_2.pdf, CompType=Resistor, EIA_Code=E96, MountType=SMT, PackageReference=0603, PartNumber=RC0603FR-07316KL, Res_ohm=316k, RoHS=Y, SizeArea_mm2=1.28, SizeAreaWB_mm2=4.68, SizeX_mm=1.6, SizeY_mm=0.8, SizeZ_mm=1, Supplier 1=Digi-Key, Supplier 2=Mouser, Supplier Part Number 2=603-RC0603FR-07316KL, Technology="Thick Film", Value1=1%, ValueDisplayed=316k, VDC_V=75V
R68: library part CMP-0022921-4, "RES, 226 k, 1%, 0.1 W, 0603", Manufacturer=Yageo, Power_W=100mW, Supplier Part Number 1=311-226KHRCT-ND, TempCo="100 ppm/C", Tolerance_%=1%, Value2=0.1W, Value_Code=226k, AEC Category=Q200, AEC Grade=N/A, AEC Qualified=N, ComponentLink1Description="Datasheet link", ComponentLink1URL=http://www.yageo.com/pdf/Pu-RC0603_51_PbFree_L_2.pdf, CompType=Resistor, EIA_Code=E96, MountType=SMT, PackageReference=0603, PartNumber=RC0603FR-07226KL, Res_ohm=226k, RoHS=Y, SizeArea_mm2=1.28, SizeAreaWB_mm2=4.68, SizeX_mm=1.6, SizeY_mm=0.8, SizeZ_mm=1, Supplier 1=Digi-Key, Supplier 2=Mouser, Supplier 3=Farnell, Supplier Part Number 2=603-RC0603FR-07226KL, Supplier Part Number 3=9238646, Technology="Thick Film", Value1=1%, ValueDisplayed=226k, VDC_V=75V
R70: library part CMP-0023263-5, "RES, 73.2 k, 1%, 0.1 W, 0603", Manufacturer=Yageo, Power_W=100mW, Supplier Part Number 1=311-73.2KHRCT-ND, TempCo="100 ppm/C", Tolerance_%=1%, Value2=0.1W, Value_Code=73k2, ValueDisplayed=73.2k, AEC Category=Q200, AEC Grade=N/A, AEC Qualified=N, ComponentLink1Description="Datasheet link", ComponentLink1URL=http://www.yageo.com/pdf/Pu-RC0603_51_PbFree_L_2.pdf, CompType=Resistor, EIA_Code=E96, MountType=SMT, PackageReference=0603, PartNumber=RC0603FR-0773K2L, Res_ohm=73.2k, RoHS=Y, SizeArea_mm2=1.28, SizeAreaWB_mm2=4.68, SizeX_mm=1.6, SizeY_mm=0.8, SizeZ_mm=1, Supplier 1=Digi-Key, Supplier 2=Mouser, Supplier Part Number 2=603-RC0603FR-0773K2L, Technology="Thick Film", Value1=1%, VDC_V=75V
R71 R73: library part CMP-0023653-3, "RES, 10.0 k, 0.1%, 0.1 W, 0603", Manufacturer="Yageo America", Power_W=100mW, TempCo="25 ppm/C", Tolerance_%=0.1%, Value2=0.1W, Value_Code=10k0, ValueDisplayed=10.0k, AEC Category=Q200, AEC Qualified=?, ComponentLink1Description="Datasheet link", ComponentLink1URL=http://www.yageo.com/pdf/PYu-RT_1-to-0.05_RoHS_L_3.pdf, CompType=Resistor, EIA_Code=E192, LatestRevisionDate=2017-03-09, MountType=SMT, PackageReference=0603, PartNumber=RT0603BRD0710KL, Published=2008-06-26, Publisher="Texas Instruments", Res_ohm=10k, RoHS=Y, SizeArea_mm2=1.28, SizeX_mm=1.6, SizeY_mm=0.8, SizeZ_mm=1, Technology="Thin Film", U/M=EA, Value1=0.1%, VDC_V=75V
R74: library part CMP-0020834-3, "RES, 100 k, 1%, 0.125 W, AEC-Q200 Grade 0, 0805", Manufacturer=Vishay-Dale, Power_W=125mW, Supplier Part Number 1=541-100KCCT-ND, TempCo="100 ppm/C", Tolerance_%=1%, Value2=0.125W, Value_Code=100k, AEC Category=Q200, AEC Grade=0, AEC Qualified=Y, ComponentLink1Description="Datasheet link", ComponentLink1URL=http://www.vishay.com/docs/20035/dcrcwe3.pdf, CompType=Resistor, EIA_Code=E96, MountType=SMT, PackageReference=0805, PartNumber=CRCW0805100KFKEA, Res_ohm=100k, RoHS=E, SizeArea_mm2=2.5, SizeX_mm=2, SizeY_mm=1.25, SizeZ_mm=1.45, Supplier 1=Digi-Key, Supplier 2=Newark, Supplier 3=Mouser, Supplier Part Number 2=52K9808, Supplier Part Number 3=71-CRCW0805-100K-E3, Technology="Thick Film", Value1=1%, ValueDisplayed=100k, VDC_V=150V
R75: library part CMP-0020835-3, "RES, 100, 1%, 0.125 W, AEC-Q200 Grade 0, 0805", Manufacturer=Vishay-Dale, Power_W=125mW, Supplier Part Number 1=541-100CCT-ND, TempCo="100 ppm/C", Tolerance_%=1%, Value2=0.125W, Value_Code=100R, ValueDisplayed=100, AEC Category=Q200, AEC Grade=0, AEC Qualified=Y, ComponentLink1Description="Datasheet link", ComponentLink1URL=http://www.vishay.com/docs/20035/dcrcwe3.pdf, CompType=Resistor, EIA_Code=E96, MountType=SMT, PackageReference=0805, PartNumber=CRCW0805100RFKEA, Res_ohm=100, RoHS=E, SizeArea_mm2=2.5, SizeX_mm=2, SizeY_mm=1.25, SizeZ_mm=1.45, Supplier 1=Digi-Key, Supplier 2=Newark, Supplier 3=Mouser, Supplier Part Number 2=52K9809, Supplier Part Number 3=71-CRCW0805-100-E3, Technology="Thick Film", Value1=1%, VDC_V=150V
R76 R77 R78 R149: library part CMP-0023133-5, "RES, 47.0 k, 1%, 0.1 W, 0603", Manufacturer=Yageo, Power_W=100mW, Supplier Part Number 1=311-47.0KHRCT-ND, TempCo="100 ppm/C", Tolerance_%=1%, Value2=0.1W, Value_Code=47k0, ValueDisplayed=47.0k, AEC Category=Q200, AEC Grade=N/A, AEC Qualified=N, ComponentLink1Description="Datasheet link", ComponentLink1URL=http://www.yageo.com/pdf/Pu-RC0603_51_PbFree_L_2.pdf, CompType=Resistor, MountType=SMT, PackageReference=0603, PartNumber=RC0603FR-0747KL, Res_ohm=47k, RoHS=Y, SizeArea_mm2=1.28, SizeAreaWB_mm2=4.68, SizeX_mm=1.6, SizeY_mm=0.8, SizeZ_mm=1, Supplier 1=Digi-Key, Supplier 2=Mouser, Supplier 3=Farnell, Supplier Part Number 2=603-RC0603FR-0747KL, Supplier Part Number 3=9238689, Technology="Thick Film", Value1=1%, VDC_V=75V
R79: library part CMP-0025813-4, "RES, 470, 5%, 0.1 W, AEC-Q200 Grade 0, 0603", Manufacturer=Vishay-Dale, Power_W=100mW, Supplier Part Number 1=541-470GCT-ND, TempCo="200 ppm/C", Tolerance_%=5%, Value2=0.1W, Value_Code=470R, ValueDisplayed=470, AEC Category=Q200, AEC Grade=0, AEC Qualified=Y, ComponentLink1Description="Datasheet link", ComponentLink1URL=http://www.vishay.com/docs/20035/dcrcwe3.pdf, CompType=Resistor, EIA_Code=E24, MountType=SMT, PackageReference=0603, PartNumber=CRCW0603470RJNEA, Res_ohm=470, RoHS=E, SizeArea_mm2=1.28, SizeX_mm=1.6, SizeY_mm=0.8, SizeZ_mm=1, Supplier 1=Digi-Key, Supplier 2=Newark, Supplier 3=Mouser, Supplier Part Number 2=59M6817, Supplier Part Number 3=71-CRCW0603J-470-E3, Technology="Thick Film", Value1=5%, VDC_V=75V